# Altium PCB UMTK.PcbDoc (part 1 of 2)
Units mil, origin at the board's own origin, x right, y up, seen from the top; angles counter-clockwise.
Board outline 8464.57 x 3937.01 mil, 2 copper layers (Top Layer, Bottom Layer); 100 components, 119 nets, 418 pads, 98 vias.
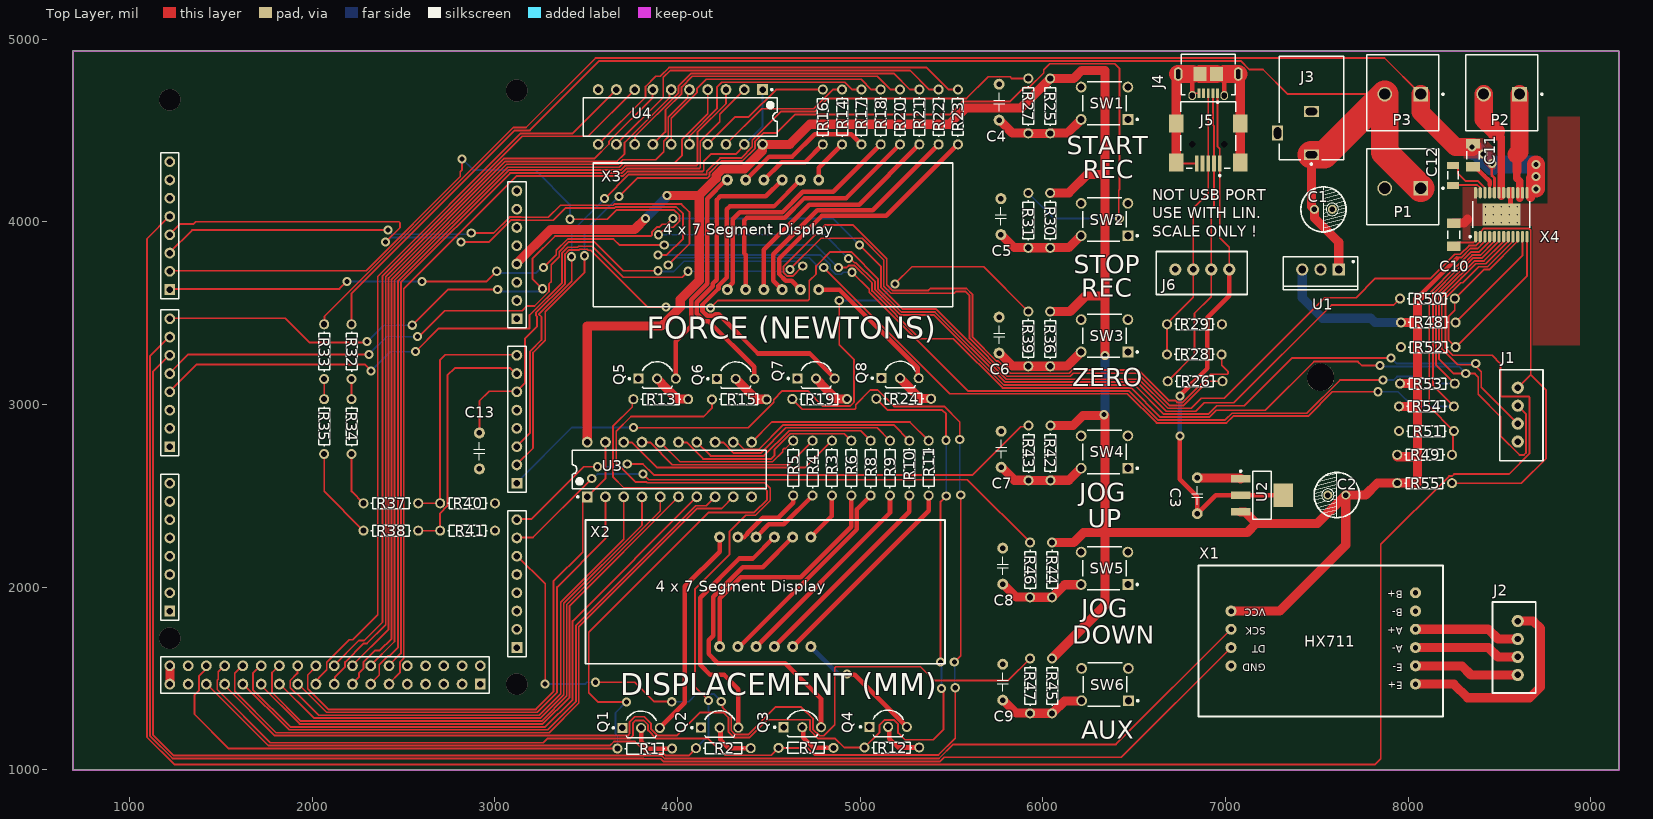
[diagram p0: Top Layer view]
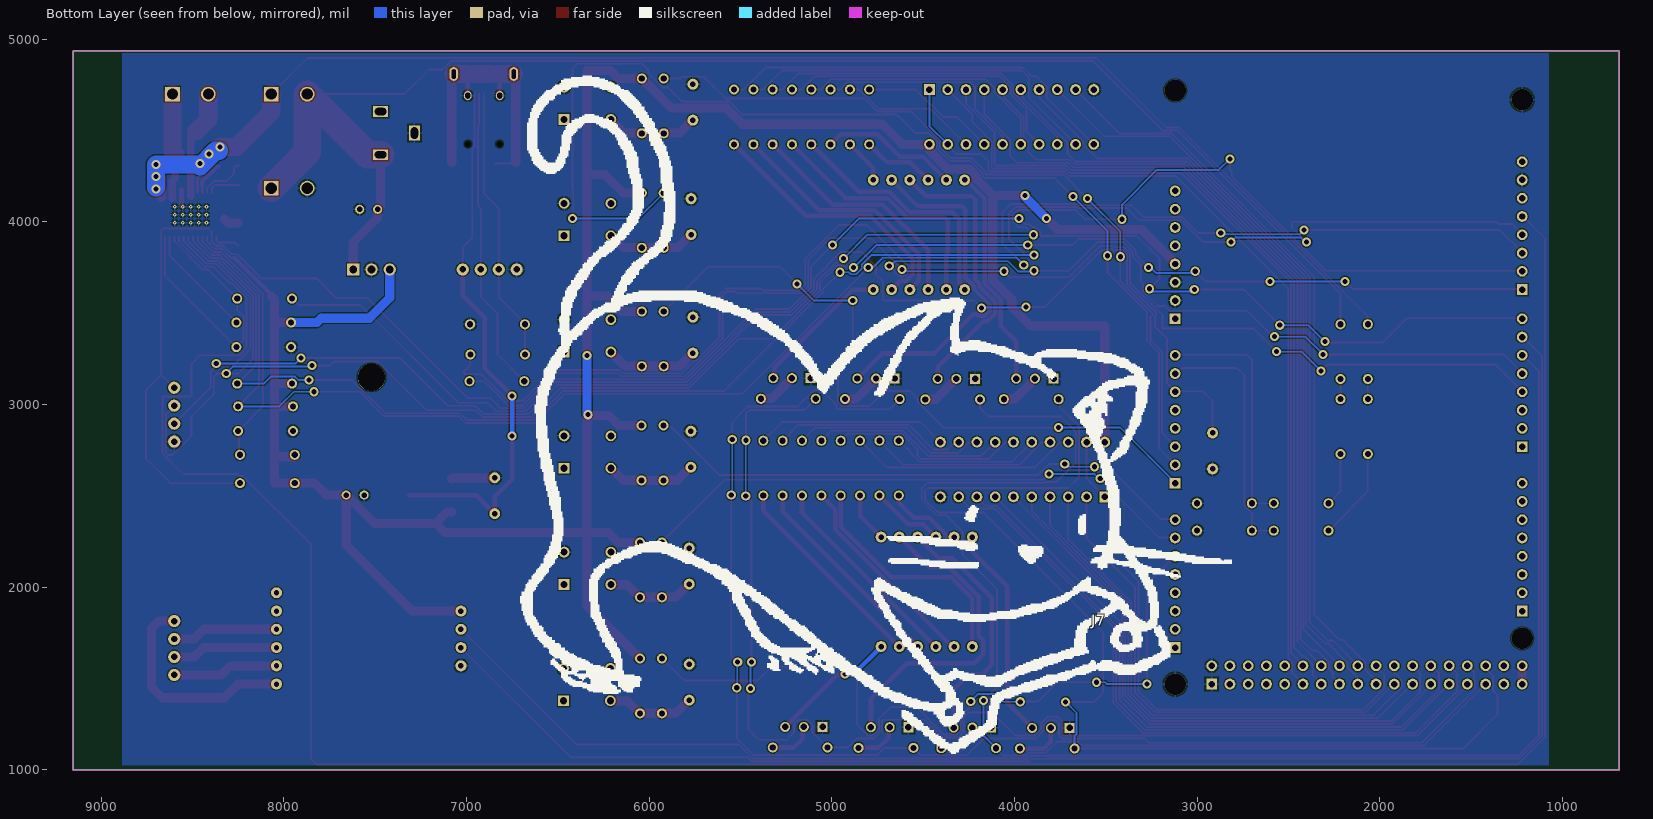
[diagram p1: Bottom Layer view, seen from below]

## Layer stack, top to bottom
Top Solder: solder mask 0.4, Solder Resist, Dk 3.5
Top Layer: signal copper 1.4
Dielectric 1: dielectric 12.6, FR-4, Dk 4.8
Bottom Layer: signal copper 1.4
Bottom Solder: solder mask 0.4, Solder Resist, Dk 3.5

## Board outline
688.98,1000 9153.54,1000 9153.54,4937.01 688.98,4937.01

## Design rules (kind name [scope] priority, off if disabled: settings)
Clearance [All] p1: gap=6 ignorepadtopadclearanceinfootprint=FALSE except(0: Arc-Hole Track-Hole SMDPad-Hole THPad-Hole Via-Hole Fill-Hole Poly-Hole Region-Hole Text-Hole)
ComponentClearance "Ignore Mega" [InComponent('J7')] p1: gap=0 collisioncheckmode=3 verticalgap=0 showdistances=FALSE
ComponentClearance [All] p2: gap=10 collisioncheckmode=3 verticalgap=10 showdistances=FALSE
HoleSize [All] p1: absolutevalues=TRUE maxlimit=1000 minlimit=1 maxpercent=80.000 minpercent=20.000
MinimumSolderMaskSliver [All] p1: minsoldermaskwidth=1
PolygonConnect PolygonConnect_2 [InNet('Vmot')] p1: connectstyle=Direct reliefconductorwidth=10 reliefentries=4 polygonreliefangle="90 Angle" airgapwidth=10
PolygonConnect PolygonConnect_1 [InComponent('X4')] p2: thpad.connectstyle=Direct thpad.reliefconductorwidth=10 thpad.reliefentries=4 thpad.polygonreliefangle="90 Angle" thpad.airgapwidth=10 smdpad.connectstyle=Direct smdpad.reliefconductorwidth=10 smdpad.reliefentries=4 smdpad.polygonreliefangle="90 Angle" smdpad.airgapwidth=10 via.connectstyle=Relief via.reliefconductorwidth=10 via.reliefentries=4 via.polygonreliefangle="90 Angle" via.airgapwidth=10
PolygonConnect [All] p3: connectstyle=Relief reliefconductorwidth=10 reliefentries=4 polygonreliefangle="90 Angle" airgapwidth=10
RoutingVias [All] p1: holewidth=28 width=50 viastyle="Through Hole" minholewidth=28 minwidth=50 maxholewidth=28 maxwidth=50
SilkToSilkClearance [All] p1: silktosilkclearance=0
SilkToSolderMaskClearance [IsPad] p1: minsilkscreentomaskgap=0 clearancetoexposedcopper=TRUE
SolderMaskExpansion [All] p1: expansion=4
Width [All] p1: maxlimit=200 minlimit=6 preferedwidth=10 minimp=50.000000 maximp=50.000000 favimp=50.000000
25 further rules are at their usual default settings.

## Classes and differential pairs
component class S4_MotorDriver: C10 C11 C12 C13 C? R48 R49 R50 R51 R52 R53 R54 R55 X4
component class S3_Arduino: C4 C5 C6 C7 C8 C9 J7 R25 R26 R27 R28 R29 R30 R31 R32 R33 R34 R35 R36 R37 R38 R39 R40 R41 R42 R43 R44 R45 R46 R47 SW1 SW2 SW3 SW4 SW5 SW6
component class S2_UserInterface: C? Q1 Q2 Q3 Q4 Q5 Q6 Q7 Q8 R2 R3 R4 R5 R6 R7 R8 R9 R10 R11 R12 R13 R14 R15 R16 R17 R18 R19 R20 R21 R22 R23 R24 U3 U4 X2 X3
component class S1_Connections: C1 C2 C3 C? J1 J2 J3 J4 J5 J6 P1 P2 P3 U1 U2 X1

## Components (designator, comment, footprint, x,y, rotation, side; value= is the part's Value field where it differs from the comment)
C1 "220u" "Alu Cap 6.3x2.5mm" 7486.57,4069 r0 top
C2 "220u" "Alu Cap 6.3x2.5mm" 7658.43,2505 r180 top
C3 "0.1u" "Ceramic Cap 5mm" 6845,2403.15 r90 top
C4 "0.1u" "Ceramic Cap 5mm" 5760,4557.45 r90 top
C5 "0.1u" "Ceramic Cap 5mm" 5770,3930.79 r90 top
C6 "0.1u" "Ceramic Cap 5mm" 5760,3282.04 r90 top
C7 "0.1u" "Ceramic Cap 5mm" 5771.29,2657.45 r90 top
C8 "0.1u" "Ceramic Cap 5mm" 5780,2017.45 r90 top
C9 "0.1u" "Ceramic Cap 5mm" 5780,1382.04 r90 top
C10 "CAP 1uF 6.3V 1206(3216)" CAPC1206(3216)130_M 8250,3930 r270 top value=1uF
C11 "CAP 1uF 25V 1206(3216)" CAPC1206(3216)130_M 8355,4366 r270 top value=1uF
C12 "CAP 47nF 50V 1206(3216)" CAPC1206(3216)130_L 8245,4255 r90 top value=47nF
C13 "0.1u" "Ceramic Cap 5mm" 2915,2845 r270 top
J1 "JST 4pin" "4Pin JST" 8600,3092.72 r270 top
J2 "JST 4pin" "4Pin JST" 8600,1520 r90 top
J3 "PJ-102BH" CUI-PJ-102BH_V 7470,4486.59 r90 top
J4 "47589-0001" MOLX-47589-0001_V 6905.28,4750.94 r180 top
J5 "10033526-N3212LF" FCI-10033526-N3212LF_V 6905.28,4430 r180 top
J6 "JST 4pin" "4Pin JST" 7020.28,3740 r180 top
J7 "NakedMega" "ARDUINO MEGA" 3220,5270 r270 bottom
P1 "SCREW-5.0/5.08 2WAYS" SCREW-5.0-2WAYS_V 7970,4185.12 r180 top
P2 "SCREW-5.0/5.08 2WAYS" SCREW-5.0-2WAYS_V 8511.57,4700 r180 top
P3 "SCREW-5.0/5.08 2WAYS" SCREW-5.0-2WAYS_V 7970,4700 r180 top
Q1 "MPSA06RLRP" ONSC-TO-92-3-29-11_AM_BL 3800.14,1230 r0 top
Q2 "MPSA06RLRP" ONSC-TO-92-3-29-11_AM_BL 4230.14,1231.83 r0 top
Q3 "MPSA06RLRP" ONSC-TO-92-3-29-11_AM_BL 4682.92,1233.81 r0 top
Q4 "MPSA06RLRP" ONSC-TO-92-3-29-11_AM_BL 5152.92,1235.5 r0 top
Q5 "MPSA06RLRP" ONSC-TO-92-3-29-11_AM_BL 3887.73,3142.54 r0 top
Q6 "MPSA06RLRP" ONSC-TO-92-3-29-11_AM_BL 4317.73,3141.49 r0 top
Q7 "MPSA06RLRP" ONSC-TO-92-3-29-11_AM_BL 4757.73,3143.17 r0 top
Q8 "MPSA06RLRP" ONSC-TO-92-3-29-11_AM_BL 5217.73,3145 r0 top
R1 "Res1" AXIAL-0.3-3D 3820.28,1117.18 r0 top value=1K
R2 "Res1" AXIAL-0.3-3D 4250.28,1119.01 r0 top value=1K
R3 "Res1" AXIAL-0.3-3D 4845,2652.45 r90 top value=1K
R4 "Res1" AXIAL-0.3-3D 4739.04,2652.45 r90 top value=1K
R5 "Res1" AXIAL-0.3-3D 4633.09,2652.45 r90 top value=1K
R6 "Res1" AXIAL-0.3-3D 4950.95,2652.45 r90 top value=1K
R7 "Res1" AXIAL-0.3-3D 4703.06,1120.98 r0 top value=1K
R8 "Res1" AXIAL-0.3-3D 5056.91,2652.45 r90 top value=1K
R9 "Res1" AXIAL-0.3-3D 5162.86,2652.45 r90 top value=1K
R10 "Res1" AXIAL-0.3-3D 5268.82,2652.45 r90 top value=1K
R11 "Res1" AXIAL-0.3-3D 5374.77,2652.45 r90 top value=1K
R12 "Res1" AXIAL-0.3-3D 5173.06,1122.67 r0 top value=1K
R13 "Res1" AXIAL-0.3-3D 3907.87,3029.71 r0 top value=1K
R14 "Res1" AXIAL-0.3-3D 4900.68,4575 r90 top value=1K
R15 "Res1" AXIAL-0.3-3D 4337.87,3028.66 r0 top value=1K
R16 "Res1" AXIAL-0.3-3D 4795,4575 r90 top value=1K
R17 "Res1" AXIAL-0.3-3D 5006.36,4575 r90 top value=1K
R18 "Res1" AXIAL-0.3-3D 5112.04,4575 r90 top value=1K
R19 "Res1" AXIAL-0.3-3D 4777.87,3030.34 r0 top value=1K
R20 "Res1" AXIAL-0.3-3D 5217.73,4575 r90 top value=1K
R21 "Res1" AXIAL-0.3-3D 5323.41,4575 r90 top value=1K
R22 "Res1" AXIAL-0.3-3D 5429.09,4575 r90 top value=1K
R23 "Res1" AXIAL-0.3-3D 5534.77,4575 r90 top value=1K
R24 "Res1" AXIAL-0.3-3D 5237.87,3032.18 r0 top value=1K
R25 "Res1" AXIAL-0.3-3D 6040,4635.41 r270 top value=10K
R26 "Res1" AXIAL-0.3-3D 6833.46,3128.15 r0 top value=5K
R27 "Res1" AXIAL-0.3-3D 5920,4635.41 r90 top value=100R
R28 "Res1" AXIAL-0.3-3D 6828.87,3274.84 r180 top value=5K
R29 "Res1" AXIAL-0.3-3D 6830,3440 r0 top value=10K
R30 "Res1" AXIAL-0.3-3D 6040,4008.75 r270 top value=10K
R31 "Res1" AXIAL-0.3-3D 5920,4008.75 r90 top value=100R
R32 "Res1" AXIAL-0.3-3D 2215,3290 r270 top value=10K
R33 "Res1" AXIAL-0.3-3D 2065,3290 r270 top value=10K
R34 "Res1" AXIAL-0.3-3D 2215,2880 r270 top value=10K
R35 "Res1" AXIAL-0.3-3D 2065,2880 r270 top value=10K
R36 "Res1" AXIAL-0.3-3D 6040,3360 r270 top value=10K
R37 "Res1" AXIAL-0.3-3D 2430,2460 r0 top value=10K
R38 "Res1" AXIAL-0.3-3D 2430,2310 r0 top value=10K
R39 "Res1" AXIAL-0.3-3D 5920,3360 r90 top value=100R
R40 "Res1" AXIAL-0.3-3D 2850,2460 r0 top value=10K
R41 "Res1" AXIAL-0.3-3D 2850,2310 r0 top value=10K
R42 "Res1" AXIAL-0.3-3D 6041.29,2735.41 r270 top value=10K
R43 "Res1" AXIAL-0.3-3D 5921.29,2735.41 r90 top value=100R
R44 "Res1" AXIAL-0.3-3D 6050,2095.41 r270 top value=10K
R45 "Res1" AXIAL-0.3-3D 6050,1460 r270 top value=10K
R46 "Res1" AXIAL-0.3-3D 5930,2095.41 r90 top value=100R
R47 "Res1" AXIAL-0.3-3D 5930,1460 r90 top value=100R
R48 "Res1" AXIAL-0.3-3D 8110,3450 r0 top value=10K
R49 "Res1" AXIAL-0.3-3D 8090,2725.48 r180 top value=DNP
R50 "Res1" AXIAL-0.3-3D 8105,3580.48 r0 top value=10K
R51 "Res1" AXIAL-0.3-3D 8100,2855.48 r180 top value=DNP
R52 "Res1" AXIAL-0.3-3D 8110,3315 r180 top value=1K
R53 "Res1" AXIAL-0.3-3D 8105,3115 r180 top value=10K
R54 "Res1" AXIAL-0.3-3D 8100,2990.48 r180 top value=10K
R55 "Res1" AXIAL-0.3-3D 8090,2570 r180 top value=10K
SW1 "Tac Switch" TacSwitch 6337.35,4650 r180 top
SW2 "Tac Switch" TacSwitch 6337.35,4013.49 r180 top
SW3 "Tac Switch" TacSwitch 6337.35,3376.98 r180 top
SW4 "Tac Switch" TacSwitch 6337.35,2740.47 r180 top
SW5 "Tac Switch" TacSwitch 6337.35,2103.96 r180 top
SW6 "Tac Switch" TacSwitch 6340,1467.45 r180 top
U1 "L7805_Side" "TO220_Side Mount" 7520,3740 r180 top
U2 "LD1117AS33TR" SOT-223_M 7198.86,2503.73 r0 top
U3 "CD74AC541E" N0020A 3955,2645 r90 top
U4 "CD74AC541E" N0020A 4015,4575 r270 top
X1 "HX711_Board" HX711_Board_Large 8190,2120 r180 top
X2 "SH5461AS" 4x7Seg 4480,1975 r0 top
X3 "SH5461AS" 4x7Seg 4522.52,3930 r0 top
X4 "DRV8873H" DRV8873 8510,4040 r90 top

## Footprints (in the part's own frame and the unit in brackets; to place one, negate y for a bottom-side part, rotate by r counter-clockwise, add the part's x,y. Pads: shape width x height; smd on the part's side, far side on the other; paste and mask are expansions set on the pad)
"4Pin JST" [mm]
  round 1.7 hole 0.9: 1(0,0) 2(2.5,0) 3(5,0) 4(7.5,0)
  silkscreen extent -2.5,-2.5 10.16,3.5, body extent -2.49,-2.29 9.91,3.46, height 7.26
4x7Seg [mil]
  round 60 hole 30: 1(-250,-300) 2(-150,-300) 3(-50,-300) 4(50,-300) 5(150,-300) 6(250,-300) 7(250,300) 8(150,300) 9(50,300) 10(-50,300) 11(-150,300) 12(-250,300)
  silkscreen extent -984,-394 984,394, body extent -990,-375 990,373, height 315
"Alu Cap 6.3x2.5mm" [mm] "Cylindrical Cap, 6.3mm Can, 2.5mm Pitch"
  round 1.25 hole 0.765: 1(0,0) 2(2.5,0)
  silkscreen extent -1.9,-3.15 4.4,3.15, body extent -1.95,-3.45 4.55,3.05, height 11.51
"ARDUINO MEGA" [mm] "Arduino Mega 2560"
  rect 1.5x1.5 hole 0.9: 0(63.5,50.8) 8(41.656,50.8) 21(86.36,50.8) A7(68.58,2.54) A15(91.44,2.54) GND(96.52,7.62) VIN(45.72,2.54)
  round 1.5 hole 0.9: 1(60.96,50.8) 2(58.42,50.8) 3(55.88,50.8) 3V3(35.56,2.54) 4(53.34,50.8) 5(50.8,50.8) 5V(38.1,2.54) 5V(93.98,50.8) 5V(96.52,50.8) 6(48.26,50.8) 7(45.72,50.8) 9(39.116,50.8) 10(36.576,50.8) 11(34.036,50.8) 12(31.496,50.8) 13(28.956,50.8) 14(68.58,50.8) 15(71.12,50.8) 16(73.66,50.8) 17(76.2,50.8) 18(78.74,50.8) 19(81.28,50.8) 20(83.82,50.8) 22(93.98,48.26) 23(96.52,48.26) 24(93.98,45.72) 25(96.52,45.72) 26(93.98,43.18) 27(96.52,43.18) 28(93.98,40.64) 29(96.52,40.64) 30(93.98,38.1) 31(96.52,38.1) 32(93.98,35.56) 33(96.52,35.56) 34(93.98,33.02) 35(96.52,33.02) 36(93.98,30.48) 37(96.52,30.48) 38(93.98,27.94) 39(96.52,27.94) 40(93.98,25.4) 41(96.52,25.4) 42(93.98,22.86) 43(96.52,22.86) 44(93.98,20.32) 45(96.52,20.32) 46(93.98,17.78) 47(96.52,17.78) 48(93.98,15.24) 49(96.52,15.24) 50(93.98,12.7) 51(96.52,12.7) 52(93.98,10.16) 53(96.52,10.16) 100(27.94,2.54) A0(50.8,2.54) A1(53.34,2.54) A2(55.88,2.54) A3(58.42,2.54) A4(60.96,2.54) A5(63.5,2.54) A6(66.04,2.54) A8(73.66,2.54) A9(76.2,2.54) A10(78.74,2.54) A11(81.28,2.54) A12(83.82,2.54) A13(86.36,2.54) A14(88.9,2.54) GND(26.416,50.8) GND(40.64,2.54) GND(43.18,2.54) GND(93.98,7.62) IOREF(30.48,2.54) REF(23.876,50.8) RST(33.02,2.54)
  body extent -6.86,-0.14 101.72,53.07
AXIAL-0.3-3D [mm] "Axial Device, Thru-Hole; 2 Leads; 0.3 in Pin Spacing"
  round 1.4 hole 0.85: 1(-3.81,0) 2(3.81,0)
  silkscreen extent -2.77,-0.76 2.77,0.76, body extent -4.35,-1.01 4.35,1.05, height 2.13
CAPC1206(3216)130_L [mm] "Chip Capacitor, Body 3.2x1.6mm, Height 1.3mm, IPC High Density"
  rect 0.95x1.7 smd: 1(-1.4,0) 2(1.4,0)
  silkscreen extent -0.55,-0.75 0.55,0.75, body extent -1.7,-0.9 1.7,0.9, height 1.3
CAPC1206(3216)130_M [mm] "Chip Capacitor, Body 3.2x1.6mm, Height 1.3mm, IPC Low Density"
  rect 1.35x1.9 smd: 1(-1.6,0) 2(1.6,0)
  silkscreen extent -0.55,-0.85 0.55,0.85, body extent -1.7,-0.9 1.7,0.9, height 1.3
"Ceramic Cap 5mm" [mil] "Cermaic Cap 5mm pitch"
  round 60 hole 30.12: 1(0,0) 2(196.85,0)
  silkscreen extent 50,-30 150,30, body extent -54,-91 260,86, height 374
CUI-PJ-102BH_V [mm] "THD, 3-Leads, Body 14.4x9mm, Height 11mm"
  rect 1.5x2.1 hole 1 slot 1.6 at 90 deg: 1(-3,0) 2(3,0)
  rect 2.1x1.5 hole 1 slot 1.6 at 0 deg: 3(0,4.7)
  silkscreen extent -4.42,-4.5 10.7,4.5, body extent -3.7,-4.5 10.7,4.9, height 11
DRV8873 [mm] "TSOP, 24-Leads, Body 7.80x4.40mm, Pitch 0.65mm, Thermal Pad 5.26x3.05mm, IPC Low Density"
  oval 1.6x0.45 smd: 1(-3.05,3.575) 2(-3.05,2.925) 3(-3.05,2.275) 4(-3.05,1.625) 5(-3.05,0.975) 6(-3.05,0.325) 7(-3.05,-0.325) 8(-3.05,-0.975) 9(-3.05,-1.625) 10(-3.05,-2.275) 11(-3.05,-2.925) 12(-3.05,-3.575) 13(3.05,-3.575) 14(3.05,-2.925) 15(3.05,-2.275) 16(3.05,-1.625) 17(3.05,-0.975) 18(3.05,-0.325) 19(3.05,0.325) 20(3.05,0.975) 21(3.05,1.625) 22(3.05,2.275) 23(3.05,2.925) 24(3.05,3.575)
  rect 3.05x5.26 smd: 25(0,0)
  silkscreen extent -3.17,-3.95 1.85,4.47, body extent -2.25,-3.95 2.25,3.95, height 1.2
FCI-10033526-N3212LF_V [mm] "SMD, 5-Leads, Body 9.2x7.7mm, Pitch 0.8mm"
  rect 0.5x2.25 smd: 1(-1.6,2.788) 2(-0.8,2.788) 3(0,2.788) 4(0.8,2.788) 5(1.6,2.788)
  rect 2x2.5 smd: 6(-4.45,2.663) 7(4.45,2.663) 8(-4.45,-2.787) 9(4.45,-2.787)
  round 0 hole 0.9 unplated: MH1(-2.2,0.083) MH2(2.2,0.083)
  silkscreen extent -3.85,-5.77 3.85,4.59, body extent -4.95,-5.77 4.95,3.63, height 4.02
HX711_Board_Large [mil]
  round 60 hole 30: 1(150,650) 2(150,550) 3(150,450) 4(150,350) 5(150,250) 6(150,150) 7(1160,250) 8(1160,350) 9(1160,450) 10(1160,550)
  silkscreen extent 0,0 1339,827, body extent 0,0 1339,827, height 77
MOLX-47589-0001_V [mm] "SMD, 5-Leads, Body 7.5x5.6mm, Pitch 0.65mm"
  rect 0.4x1.35 smd: 1(-1.3,1.175) 2(-0.65,1.175) 3(0,1.175) 4(0.65,1.175) 5(1.3,1.175)
  oval 1.05x1.25 hole 0.65 slot 0.85 at 90 deg: 6(-2.225,1.5) 7(2.225,1.5)
  oval 1.2x1.9 hole 0.6 slot 1.3 at 90 deg: 8(-4.175,-1.5) 11(4.175,-1.5)
  rect 1.8x1.9 smd: 9(-1.15,-1.5) 10(1.15,-1.5)
  Top Layer region: 2.6,-2.45 4.175,-2.45 4.175,-0.55 2.6,-0.55
  Top Layer region: -2.6,-0.55 -4.175,-0.55 -4.175,-2.45 -2.6,-2.45
  silkscreen extent -3.75,-4.25 3.75,2.52, body extent -4.32,-4.25 4.32,1.64, height 2.74
N0020A [mm] "DIP, 20-Leads, Body 26.9x6.6mm, Pitch 2.54mm"
  rect 1.5x1.5 hole 0.9: 1(-3.81,11.43)
  round 1.5 hole 0.9: 2(-3.81,8.89) 3(-3.81,6.35) 4(-3.81,3.81) 5(-3.81,1.27) 6(-3.81,-1.27) 7(-3.81,-3.81) 8(-3.81,-6.35) 9(-3.81,-8.89) 10(-3.81,-11.43) 11(3.81,-11.43) 12(3.81,-8.89) 13(3.81,-6.35) 14(3.81,-3.81) 15(3.81,-1.27) 16(3.81,1.27) 17(3.81,3.81) 18(3.81,6.35) 19(3.81,8.89) 20(3.81,11.43)
  silkscreen extent -3.93,-13.5 2.65,13.5, body extent -3.95,-13.45 3.95,13.45, height 5.08
ONSC-TO-92-3-29-11_AM_BL [mm] "TO, 3-Leads, Body Dia 4.7mm, Pitch 2.6mm"
  rect 1.4x1.4 hole 0.9: 1(-2.6,0)
  round 1.4 hole 0.9: 2(0,0) 3(2.6,0)
  silkscreen extent -3.97,-1.34 2.13,2.35, body extent -2.84,-1.34 2.84,2.35, height 5.33
SCREW-5.0-2WAYS_V [mm] "Socket, Screw Terminal Block, 2-Leads, Pitch 5mm, 90 Degree Angle, Through-Hole"
  rect 2.05x2.05 hole 1.55: 1(-2.5,0)
  round 2.05 hole 1.55: 2(2.5,0)
  silkscreen extent -5.73,-5.5 5,5.1, body extent -5,-5.5 5.02,5.1, height 18.2
SOT-223_M [mm] "SOT223, 4-Leads, Body 6.5x3.5mm, Pitch 2.3mm, Lead Span 7mm, IPC Low Density"
  rect 2.7x1 smd: 1(-2.95,2.3) 2(-2.95,0) 3(-2.95,-2.3)
  rect 2.7x3.3 smd: 4(2.95,0)
  silkscreen extent -3.07,-3.35 1.3,3.47, body extent -1.85,-3.35 1.85,3.35, height 1.8
TacSwitch [mm]
  rect 1.5x1.5 hole 1 paste+0: 1(-3.25,2.25)
  round 1.5 hole 1 paste+0: 2(3.25,2.25) 3(-3.25,-2.25) 4(3.25,-2.25)
  silkscreen extent -4.68,-3 3,3, body extent -3.84,-3 3.84,3, height 4.95
"TO220_Side Mount" [mm]
  rect 1.7x1.7 hole 1.1: 1(-2.54,0)
  round 1.7 hole 1.1: 2(0,0) 3(2.54,0)
  round 3.81 hole 3.81: 4(0,15)
  silkscreen extent -5.2,-1.75 5.2,2.85, body extent -5.25,-1.8 5.25,2.9, height 19.7

## Part data
C1 C2: library part "Polar Cap"
C3 C4 C5 C6 C7 C8 C9 C13: library part Cap
C10: library part CMP-1037-04669-1, "CAP 1uF 6.3V ±20% 1206 (3216 Metric) Thickness 1.2mm SMD", Case-EIA=1206, Case-Metric=3216, Rated Voltage="6.3 V", Tolerance=±20%, Max Thickness="1.2 mm", Technology=SMT
C11: library part CMP-1037-04700-1, "CAP 1uF 25V ±10% 1206 (3216 Metric) Thickness 1.3mm SMD", Case-EIA=1206, Case-Metric=3216, Rated Voltage="25 V", Tolerance=±10%, Max Thickness="1.3 mm", Technology=SMT
C12: library part CMP-1037-03986-1, "CAP 47nF 50V ±20% 1206 (3216 Metric) Thickness 1.2mm SMD", Case-EIA=1206, Case-Metric=3216, Rated Voltage="50 V", Tolerance=±20%, Max Thickness="1.2 mm", Technology=SMT
J1 J2 J6: library part "4Pin JST"
J3: library part CMP-2000-06901-1, "Through Hole Right Angle DC Power Jack, 5 A, 2.5 mm Center Pin, 3 Position, -25 to 85 degC, RoHS, Bulk", Current Rating=5A, Flammability Rating=UL94V-0, Insulation Resistance=100MOhms, Manufacturer=CUIInc., Operating Temperature Range=-25Cto+85C, Package Description="3-Pin Through Hole Device, Body 14.4 x 9 mm, Height 11 mm", Voltage Rating=24V, Brand=CUI, Connector Type=DCPowerJack, Contact Gender=Male, Contact Material=Copper, Contact Plating=Nickel, Datasheet URL=http://www.cui.com/product/resource/pj-102bh.pdf, Datasheet Version="Rev. 1.02, 05/2016", Factory Pack Quantity=280, Housing Material=PolybutyleneTerephthalate(PBT), Inside Contact Diameter=2.5mm, Manufacturer URL=http://www.cui.com/, Mounting Angle=Right, Mounting Style=ThroughHole, Mounting Technology=ThroughHole, Outside Contact Diameter=6.5mm, Package Reference=PJ-102BH, Product=Jacks, Product Category=DCPowerConnectors, RoHS=True, Termination Style=ThroughHole
J4: library part CMP-2000-05610-1, "Right Angle Female Type AB Micro USB Connector, 30 V, 1.8 A, -30 to 85 degC, RoHS, Tape and Reel", Color=Black, Current Rating=1.8A, Manufacturer=Molex, Operating Temperature Range=-20Cto+85C, Package Description="Micro USB Connector, Pitch 0.65 mm, 5 Positions, Body 7.5 x 5.6 mm", Voltage Rating=30VAC, =0475890001, Brand=Molex, Connector Type=MicroUSBTypeABreceptacle, Contact Material=CopperAlloy, Contact Plating=Gold, Datasheet URL=http://www.molex.com/webdocs/datasheets/pdf/en-us/0475890001_IO_CONNECTORS.pdf, Datasheet Version=12/2016, Gender=Female, Manufacturer URL=http://www.molex.com/, Mounting Angle=Right, Mounting Technology=SurfaceMount, Number of Contacts=5Contact, Number of Ports=1Port, Package Reference=47589-0001, Package URL=http://www.molex.com/pdm_docs/sd/475890001_sd.pdf, Packaging=Reel, Product=MicroUSBTypeABConnectors, Product Category=USBConnectors, RoHS=True, Series=47589, Standard=USB, Termination Style=SMD/SMT
J5: library part CMP-1698-00001-2, "Mini USB B-Type, 5-Pin SMD, RoHS, Tape and Reel", Color=Black, Flammability Rating="UL 94 V-0", Insulation Resistance="100 MOhms", Manufacturer=FCI, Brand=FCI, ComponentLink1Description="Manufacturer URL", ComponentLink1URL=http://portal.fciconnect.com/, ComponentLink2Description=Datasheet, ComponentLink2URL=http://portal.fciconnect.com/Comergent//fci/drawing/10033526.pdf, Connector Type="Mini USB Type B Receptacle", Contact Material="Copper Alloy", Contact Plating=Gold, DatasheetVersion="Rev. N", Factory Pack Quantity=750, Gender=Female, Mounting Angle=Right, Mounting Technology="Surface Mount", Number of Contacts="5 Contact", Number of Ports="1 Port", PackageDescription="5-Pin Surface Mount Device, Body 9.2 x 7.7 mm, Pitch 0.8 mm", Packaging=Reel, PartNumber=10033526-N3212LF, Product="Mini USB Type B Connectors", Product Category="USB Connectors", RoHS=Details, Shell Plating=Nickel, Standard=USB, Termination Style="Solder Pad"
P1 P2 P3: library part CMP-0617-00009-1, "Socket, Screw Terminal Block, 2 Way, 5.0 mm Pitch, 90 Degree Angle, Through-Hole", Contact Resistance="20 mOhm", Insulation Resistance="5000 MOhm / 1000 V", Manufacturer="No Vendor", Rated Current="25 A", Rated Voltage="300 V", Temperature Range="-40 to 105 degC", ComponentLink1Description=Datasheet, ComponentLink1URL="5mm screw terminal in SVN", Mounting Technology="Through Hole", PackageDescription="Socket, Screw Terminal Block, 2 Way, Pitch 5 mm, 90 Degree Angle, Through-Hole", PartNumber="SCREW-5.0/5.08 2WAYS", Poles=2
Q1 Q2 Q3 Q4 Q5 Q6 Q7 Q8: library part CMP-1048-01505-1, "80 V, 0.5 A, Amplifier Transistor, NPN Transistor, 3-Pin TO-92, Ammo Box", Manufacturer="On Semiconductor", ComponentLink1Description="Manufacturer URL", ComponentLink1URL=http://www.onsemi.com/, ComponentLink2Description=Datasheet, ComponentLink2URL=http://www.onsemi.cn/pub_link/Collateral/MPSA05-D.PDF, ComponentLink3Description="Package Specification", ComponentLink3URL=http://www.onsemi.com/pub_link/Collateral/MAC97-D.PDF, DatasheetVersion="Rev. 3", fT Min (MHz)=100, IC Continuous (A)=0.5, Mounting Technology="Through Hole", Note1=0, PackageDescription="3-Pin Transistor Outline, Body 4.825 x 3.685 mm, Pitch 1.27 mm", PackageReference=TO-92-3-29-11_AM_BL, PackageVersion="Rev. AM", Packing="Ammo Box", PartNumber=MPSA06RLRP, Polarity=NPN, RoHS=FALSE
R1 R2 R3 R4 R5 R6 R7 R8 R9 R10 R11 R12 R13 R14 R15 R16 R17 R18 R19 R20 R21 R22 R23 R24 R25 R26 R27 R28 R29 R30 R31 R32 R33 R34 R35 R36 R37 R38 R39 R40 R41 R42 R43 R44 R45 R46 R47 R48 R49 R50 R51 R52 R53 R54 R55: "Resistor", LatestRevisionDate=17-Jul-2002, LatestRevisionNote="Re-released for DXP Platform.", PackageDescription="Axial Device, Thru-Hole; 2 Leads; 0.3 in Pin Spacing", PackageReference=AXIAL-0.3, Published=8-Jun-2000, Publisher="Altium Limited"
U2: library part CMP-0244-00316-1, "1A, Low Drop Positive Voltage Regulator, 3.3V, 4-Pin SOT-223, Tape and Reel", ComponentLink1Description="Manufacturer URL", ComponentLink1URL=http://www.st.com, ComponentLink2Description=Datasheet, ComponentLink2URL=http://www.st.com/internet/com/TECHNICAL_RESOURCES/TECHNICAL_LITERATURE/DATASHEET/CD00002116.pdf, DatasheetVersion=2/12/2011, PackageDescription="4-Pin SOT-223 Package, 6.5 x 3.5 mm Body, 2.3 mm Pitch, 7 mm Lead Span", PackageReference=SOT-223, PackageVersion=2010
U3 U4: library part CMP-0440-00981-2, "Non-Inverting Octal Buffer/Line Drivers with 3-State Outputs, N0020A, TUBE", F @ Nom Voltage(Max)(Mhz)=60, Generic Part Number=CD74AC541, ICC @ Nom Voltage(Max)(mA)=0.16, Manufacturer="Texas Instruments", Operating Temperature Range(C)="-55 to 125", Rating=Catalog, tpd @ Nom Voltage(Max)(ns)=77,8.6,6.2, Voltage(Nom)(V)=1.5,3.3,5, Bits(#)=8, Code_IPC=MS-001, Code_JEITA=5.08, ComponentLink1Description="Manufacturer URL", ComponentLink1URL=http://www.ti.com/, ComponentLink2Description=Datasheet, ComponentLink2URL=http://www.ti.com/lit/ds/symlink/cd74ac541.pdf, DatasheetVersion=SCHS285A, Input Type=CMOS, Output Type=CMOS, PackageReference=N0020A, PackageVersion=http://www.ti.com/lit/ml/mpdi002c/mpdi002c.pdf, PartNumber=CD74AC541E, VCC(Max)(V)=5.5, VCC(Min)(V)=1.5
X2 X3: library part 4x7Seg, "4 Character 7 Segment Display, Common Cathode"
X4: library part DRV8873, "DRV8873-Q1 Automotive H-Bridge Motor Driver This one is the H version, with Hbridge gate controls (no SPI)"

## Via types
v1: diameter 50, hole 28, Top Layer to Bottom Layer, 79 vias
v2: diameter 19.68, hole 7.87, Top Layer to Bottom Layer, 15 vias
v3: diameter 118.11, hole 118.11, Top Layer to Bottom Layer, 4 vias

## Nets (pads, with @x,y where several pads share a name; then routed paths per layer and width w, separated by ;. In a path a pad name is that pad's centre, name@x,y a point inside that pad or via, vN(x,y) a via of type N, cw(c..) or ccw(c..) an arc to the next point about the centre after c; other vN are vias at no path point)
+3V3: C3.1 J4.1 J5.1 J6.1 U2.2 U2.4 | length 2990.9
  Top Layer w10: J4.1@6956.46,4704.69 6956.46,4411.81 6968.27,4400 J5.1@6968.27,4320.26 6968.27,3914.37 7020.28,3862.36 J6.1@7020.28,3740
  Top Layer w25: v1(6750,2829.05) 6750,2590.48 6845,2495.48 C3.1@6845,2403.15 6945.58,2503.73 U2.2@7082.72,2503.73 U2.4@7315,2503.73 ; v1(6750,3048.09) 6900,3198.09 6900,3475 7020.28,3595.28 J6.1@7020.28,3740
  Bottom Layer w25: v1(6750,2829.05) v1(6750,3048.09)
+5: C2.1 J7.5V R25.1 R30.1 R36.1 R42.1 R44.1 R45.1 R48.1 R49.2 R53.2 R54.2 R55.2 U1.3 U2.3 U3.20 U4.20 X1.7 X4.3 | length 15959.9
  Top Layer w10: 8265,3800 8270,3805 8290.15,3805 8340.15,3855 8380.64,3855 8414.7,3889.06 8414.7,3889.46 8420.43,3895.2 X4.3@8420.43,3919.92
  Top Layer w25: 8067.88,3592.88 8067.88,3602.88 8265,3800
  Top Layer w50: J7.5V@1220,1473.34 1220,1475 J7.5V@1220,1573.34 ; J7.5V@3120,3773.34 3305.66,3959 3764,3959 v1(3825,4020) ; U3.20@3505,2795 3505,3430 3910.57,3430 4014.54,3533.98 4014.54,3575.6 4118.52,3679.58 4118.52,4145.89 ; v1(3941.65,4145.89) 4118.52,4145.89 ; R36.1@6040,3510 6148.19,3510 6233.19,3595 6340,3595 ; R30.1@6040,4158.75 6040.98,4159.73 6142.36,4159.73 6242.64,4260 6340,4260 ; R42.1@6041.29,2885.41 6164.04,2885.41 6218.63,2940 v1@6335,2940 ; R45.1@6050,1610 6340,1900 6340,2300 ; R44.1@6050,2245.41 6168.4,2245.41 6222.99,2300 6340,2300 ; v1@6340,2940 6340,2300 ; v1(6340,3270) 6340,3595 ; X1.7@7030,1870 7296.66,1870 7658.43,2231.76 C2.1@7658.43,2505 ; U2.3@7082.72,2413.18 7105.55,2413.18 7168.73,2350 ; R49.2@7940,2725.48 7940,2715 8050,2715 ; R54.2@7950,2990.48 8050,2990.48 ; R53.2@7955,3115 8050,3115 ; R48.1@7960,3450 8050,3450 ; 8067.88,3592.88 8050,3575 8050,3450 ; 4118.52,4145.89 4211.52,4238.89 4211.52,4255.27 4247.25,4291 4366,4291 4465,4390 U4.20@4465,4425 4614.04,4425 4724.04,4535 5488.11,4535 5577.11,4624 5878.59,4624 R25.1@6040,4785.41 6168.4,4785.41 6212.99,4830 6340,4830 6340,4260 ; 6340,2300 7118.73,2300 7168.73,2350 ; 6340,3595 6340,4260 ; 7168.73,2350 7503.43,2350 C2.1@7658.43,2505 ; C2.1@7658.43,2505 7766.02,2505 7831.02,2570 R55.2@7940,2570 8050,2570 8050,2715 ; 8050,2715 8050,2990.48 ; 8050,2990.48 8050,3115 ; 8050,3115 8050,3450
  Bottom Layer w50: v1(3825,4020) 3941.65,4136.65 v1(3941.65,4145.89) ; v1(6335,2945) 6340,2950 v1(6340,3270) ; U1.3@7420,3740 7420,3585 7531.66,3473.34 7795,3473.34 7818.34,3450 R48.1@7960,3450
D1_A: J7.33 U3.4 | length 2948.8
  Top Layer w10: J7.33@1820,1473.34 2009.6,1283.74 3248.48,1283.74 3377,1412.25 3377,1912.25 3805,2340.25 U3.4@3805,2495
D1_B: J7.35 U3.2 | length 2710.3
  Top Layer w10: J7.35@1920,1473.34 2077.6,1315.74 3230.74,1315.74 3340,1425 3340,2000.86 3605,2265.86 U3.2@3605,2495
D1_C: J7.29 U3.8 | length 3463.3
  Top Layer w10: J7.29@1620,1473.34 1620,1472.37 1872.64,1219.74 3289.74,1219.74 3443,1373 3443,1790.33 4099.17,2446.5 4156.5,2446.5 U3.8@4205,2495
D1_D: J7.31 U3.6 | length 3191.1
  Top Layer w10: J7.31@1720,1473.34 1720,1462.37 1930.64,1251.74 3261.74,1251.74 3409,1399 3409,1899 U3.6@4005,2495
D1_D1: J7.24 R1.1 R13.1 | length 6204.1
  Top Layer w10: J7.24@1420,1573.34 1410.61,1563.95 1410.61,1545.01 1379.47,1513.87 1379.47,1434.47 1355,1410 1355,1305 1542.82,1117.18 R1.1@3670.28,1117.18 ; v1(3720,1372.37) 3563.1,1372.37 3514,1421.47 3514,1753.72 4170.28,2410 4420,2410 4490,2480 4490,2527.14 4473.57,2543.57 3706.43,2543.57 3645.53,2604.47 3645.53,2880.77 3751.91,2987.15 3751.91,3023.76 R13.1@3757.87,3029.71
  Bottom Layer w10: R1.1@3670.28,1117.18 3670.28,1186.82 3659.22,1197.88 3659.22,1311.59 v1(3720,1372.37)
D1_D2: J7.25 R2.1 R15.1 | length 6262.9
  Top Layer w10: J7.25@1420,1473.34 1760.16,1133.18 3629.35,1133.18 3651.91,1155.74 3766.03,1155.74 3828.09,1093.68 3920,1093.68 3935.06,1078.62 4059.89,1078.62 R2.1@4100.28,1119.01 ; v1(4170,1380) 4095,1455 4095,1990 4285,2180 4285,2305.61 4373.39,2394 4426.63,2394 4507.63,2475 4507.63,2543.14 4478.1,2572.67 3834.7,2572.67 3831.37,2576 3770,2576 3664.47,2681.53 3664.47,2854.47 3745,2935 4143,2935 4187.87,2979.87 R15.1@4187.87,3028.66
  Bottom Layer w10: R2.1@4100.28,1119.01 4170,1188.72 v1(4170,1380)
D1_D3: J7.26 R7.1 R19.1 | length 7385.4
  Top Layer w10: J7.26@1520,1573.34 1485,1538.34 1485,1495.65 1479.47,1490.12 1479.47,1440.53 1770.82,1149.18 3264.43,1149.18 3286.99,1171.74 3738.89,1171.74 3756.14,1188.98 3756.14,1257.61 3769.24,1270.72 3813.96,1270.72 3838.7,1245.97 3838.7,1216.64 3883.61,1171.74 4168.26,1171.74 4260,1080 4512.08,1080 R7.1@4553.06,1120.98 4710.78,1120.98 4749.34,1082.42 5428.31,1082.42 5520,1174.11 v1(5520,1450) ; R19.1@4627.87,3030.34 4683.21,2975 4969.14,2975 4975,2980.86 4975,3000.32 5054.68,3080 5095.48,3080 5185.48,2990 5460,2990 5545,2905 v1(5545,2809.12) ; v1(5515,1590) 5550,1625 v1(5550,2505)
  Bottom Layer w10: v1(5515,1590) 5517.5,1587.5 5517.5,1452.5 v1(5520,1450) ; v1(5545,2809.12) 5545,2510 v1(5550,2505)
D1_D4: J7.27 R12.1 R24.1 | length 6842.7
  Top Layer w10: J7.27@1520,1473.34 1520,1462.37 1794.64,1187.74 3732.26,1187.74 3732.26,1193.81 3736.34,1197.88 3736.34,1261.34 3765.86,1290.86 3816.44,1290.86 3854.7,1252.6 3854.7,1223.27 3890.24,1187.74 3995.74,1187.74 4123,1315 4250,1315 4277.94,1287.06 4277.94,1209.23 4309.9,1177.27 4392.27,1177.27 4490,1275 4725,1275 4725,1216.93 4770.62,1171.31 4863.61,1171.31 4912.25,1122.67 R12.1@5023.06,1122.67 5105,1204.61 5105,1244.14 5134.91,1274.06 5183.27,1274.06 5207.33,1250 5207.33,1202.67 5245,1165 5400,1165 5455,1220 5455,1435 v1(5445,1445) ; R24.1@5087.87,3032.18 5150.04,2970 5449.14,2970 5470,2949.14 v1(5470,2805) ; v1(5440,1590) 5440,2469 v1(5471,2500)
  Bottom Layer w10: v1(5440,1590) 5440,1582.3 5445,1577.3 v1(5445,1445) ; v1(5470,2805) 5471,2804 v1(5471,2500)
D1_DP: J7.30 U3.7 | length 3440.1
  Top Layer w10: J7.30@1720,1573.34 1675,1528.34 1675,1440 1879.26,1235.74 3275.74,1235.74 3425,1385 3425,1815 U3.7@4105,2495
D1_E: J7.32 U3.5 | length 3202.1
  Top Layer w10: J7.32@1820,1573.34 1779.47,1532.81 1779.47,1425.53 1937.26,1267.74 3255.11,1267.74 3393,1405.63 3393,1905.63 3905,2417.63 U3.5@3905,2495
D1_F: J7.34 U3.3 | length 2951.8
  Top Layer w10: J7.34@1920,1573.34 1918.16,1571.5 1918.16,1528.81 1879.14,1489.79 1879.14,1450.86 1913.17,1416.83 1918.17,1416.83 2035.26,1299.74 3241.85,1299.74 3360,1417.88 3360,1917.88 3705,2262.88 U3.3@3705,2495
D1_G: J7.28 U3.9 | length 3765
  Top Layer w10: J7.28@1620,1573.34 1575,1528.34 1575,1430 1801.26,1203.74 3296.36,1203.74 3459,1366.37 3459,1783.7 4105.8,2430.5 4240.5,2430.5 U3.9@4305,2495
D1_OE: J7.36 U3.1 U3.19 | length 3064
  Top Layer w10: J7.36@2020,1573.34 2020,1564.64 1975,1519.64 1975,1445 2088.26,1331.74 3224.11,1331.74 3320,1427.63 3320,2032.5 3480.47,2192.97 3480.47,2470.47 U3.1@3505,2495 3605,2595 U3.19@3605,2795
D2_A: J7.42 U4.4 | length 4437.1
  Top Layer w10: J7.42@2320,1573.34 2450,1703.34 2450,3680.25 3069.75,4300 3681.61,4300 3706.05,4324.43 3983.96,4324.43 4024.47,4364.94 4024.47,4452.35 4165,4592.88 U4.4@4165,4725
D2_B: J7.44 U4.2 | length 4549.6
  Top Layer w10: J7.44@2420,1573.34 2485,1638.34 2485,3670 3083,4268 3694.87,4268 3719.3,4292.43 4118.61,4292.43 4124.47,4298.29 4124.47,4441.79 4231,4548.31 4231,4591 U4.2@4365,4725
D2_C: J7.38 U4.8 | length 4061
  Top Layer w10: J7.38@2120,1573.34 2255.22,1708.56 2283.56,1708.56 2385,1810 2385,3705.76 3148.51,4469.28 3509.28,4469.28 U4.8@3765,4725
D2_D: J7.40 U4.6 | length 4232.9
  Top Layer w10: J7.40@2220,1573.34 2418,1771.34 2418,3693.51 3056.49,4332 3668.36,4332 3710,4373.64 3710,4435.31 3955.61,4680.93 3955.61,4715.61 U4.6@3965,4725
D2_DP: J7.39 U4.7 | length 4275
  Top Layer w10: J7.39@2120,1473.34 2125,1478.34 2125,1510 2179.47,1564.47 2179.47,1590.12 2281.91,1692.56 2299.56,1692.56 2402,1795 2402,3700.14 3049.86,4348 3545.31,4348 3624.47,4427.16 3624.47,4441.79 3863.16,4680.47 3863.16,4723.16 U4.7@3865,4725
D2_E: J7.41 U4.5 | length 4495.4
  Top Layer w10: J7.41@2220,1473.34 2255,1508.34 2255,1530 2279.47,1554.47 2279.47,1590.12 2343.91,1654.56 2369.56,1654.56 2434,1719 2434,3686.88 3063.12,4316 3674.99,4316 3699.42,4340.43 3880.43,4340.43 3924.47,4384.47 3924.47,4441.79 3949,4466.31 3949,4574.31 4055.61,4680.93 4055.61,4715.61 U4.5@4065,4725
D2_F: J7.43 U4.3 | length 4649.8
  Top Layer w10: J7.43@2320,1473.34 2366.3,1519.64 2366.3,1576.95 2412.82,1623.48 2422.48,1623.48 2469,1670 2469,3676.63 3076.37,4284 3688.24,4284 3712.68,4308.43 4102.61,4308.43 4108.47,4314.29 4108.47,4344.47 4108.47,4491.1 4265,4647.63 U4.3@4265,4725
D2_G: J7.37 U4.9 | length 4110.5
  Top Layer w10: J7.37@2020,1473.34 2020,1486.61 2035,1501.61 2035,1505 2079.47,1549.47 2079.47,1590.12 2201.91,1712.56 2221.47,1712.56 2358.11,1849.2 2358.11,3701.5 3141.89,4485.28 3425.28,4485.28 U4.9@3665,4725
D2_OE: J7.45 U4.1 U4.19 | length 4761.1
  Top Layer w10: J7.45@2420,1473.34 2479.47,1532.81 2479.47,1590.12 2501,1611.65 2501,3634.28 3118.72,4252 3701.5,4252 3725.93,4276.43 4137.66,4276.43 4143.52,4282.29 4143.52,4333.52 4181.48,4371.48 4317.73,4371.48 4365,4418.76 U4.19@4365,4425
  Bottom Layer w10: U4.19@4365,4425 4465,4525 U4.1@4465,4725
GND: C1.2 C2.2 C3.2 C4.2 C5.2 C6.2 C7.2 C8.2 C9.2 C10.1 C13.2 J1.4 J3.3 J4.5 J4.6 J4.7 J4.8 J4.9 J4.10 J4.11 J5.5 J5.6 J5.7 J5.8 J5.9 J6.4 J7.GND P1.2 Q1.1 Q2.1 Q3.1 Q4.1 Q5.1 Q6.1 Q7.1 Q8.1 R29.2 R40.2 R41.2 R51.2 R52.2 SW1.3 SW2.3 SW3.3 SW4.3 SW5.3 SW6.3 U1.2 U2.1 U3.10 U4.10 X1.10 X4.16 X4.17 X4.24 X4.25 | length 2130.6
  Top Layer w10: J5.7@6730.08,4325.18 6735,4320.26 J5.5@6842.28,4320.26 ; J4.7@6817.68,4691.89 6817.68,4704.69 J4.5@6854.09,4704.69
  Top Layer w25: J4.7@6817.68,4704.69 6817.68,4810 J4.10@6860,4810 ; J4.9@6950.55,4810 6992.87,4810 J4.6@6992.87,4691.89 ; v2(8553.31,4083.31) 8560,4090 8560,4180
  Top Layer w50: J5.7@6730.08,4325.18 J5.9@6730.08,4539.74 6730.08,4810 J4.11@6740.91,4810 ; C3.2@6845,2600 6846.91,2598.09 7078.91,2598.09 U2.1@7082.72,2594.28 ; J4.8@7069.65,4810 7080.47,4810 J5.8@7080.47,4539.74 J5.6@7080.47,4325.18 ; C10.1@8250,3992.99 8251.57,3994.57 8304.57,3994.57 8325,4015
  Top Layer w100: J4.11@6740.91,4810 6817.68,4810 ; J4.10@6860,4810 J4.9@6950.55,4810 ; 6992.87,4810 J4.8@7069.65,4810
  other v2: 8423.39,3996.69 8466.69,3996.69 8510,3996.69 8553.31,3996.69 8596.61,3996.69 8423.39,4040 8466.69,4040 8510,4040 8553.31,4040 8596.61,4040 8423.39,4083.31 8466.69,4083.31 8510,4083.31 8596.61,4083.31
  other v3: 3120,1470 1220,4670
LC_DT: J7.6 X1.9 | length 8467.1
  Top Layer w10: J7.6@1220,3373.34 1111,3264.34 1111,1186.63 1235.01,1062.62 3813.89,1062.62 3814.84,1061.68 3906.75,1061.68 3921.8,1046.62 5437.76,1046.62 5460.25,1069.11 6429.11,1069.11 X1.9@7030,1670
LC_SCK: J7.5 X1.8 | length 8368.7
  Top Layer w10: J7.5@1220,3273.34 1127,3180.34 1127,1193.25 1241.64,1078.62 3820.52,1078.62 3821.46,1077.68 3913.37,1077.68 3928.43,1062.62 5431.13,1062.62 5508.51,1140 6400,1140 X1.8@7030,1770
LCE+: J2.4 X1.1 | length 1202.6
  Top Layer w50: X1.1@8040,1470 8250,1470 8325,1395 8665,1395 8725,1455 8725,1775 8685,1815 8600.28,1815 J2.4@8600,1815.28
LCE-: J2.1 X1.2 | length 580.7
  Top Layer w50: X1.2@8040,1570 8294.06,1570 8344.06,1520 J2.1@8600,1520